# Allegro board hi3518edmeb_ver_a_pcb.brd
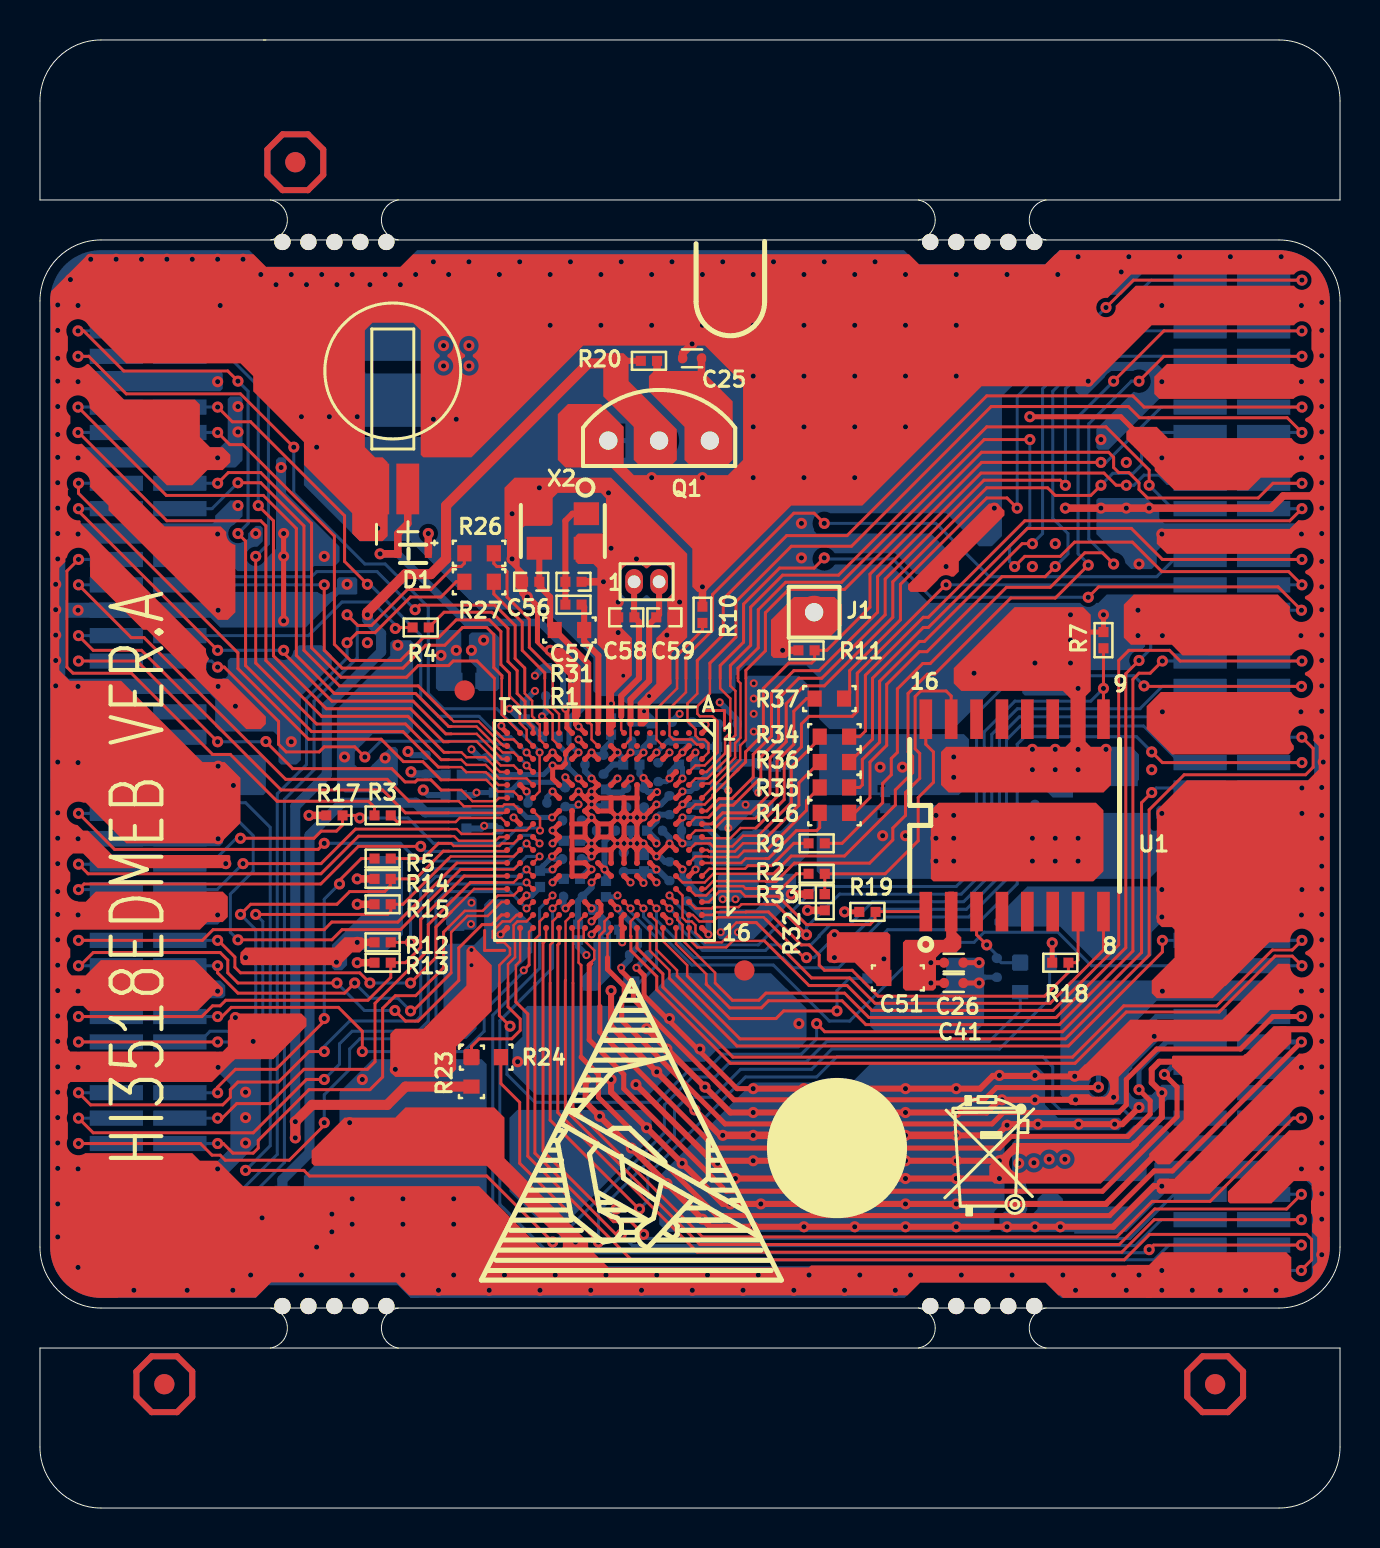
[diagram p0: board, top side]
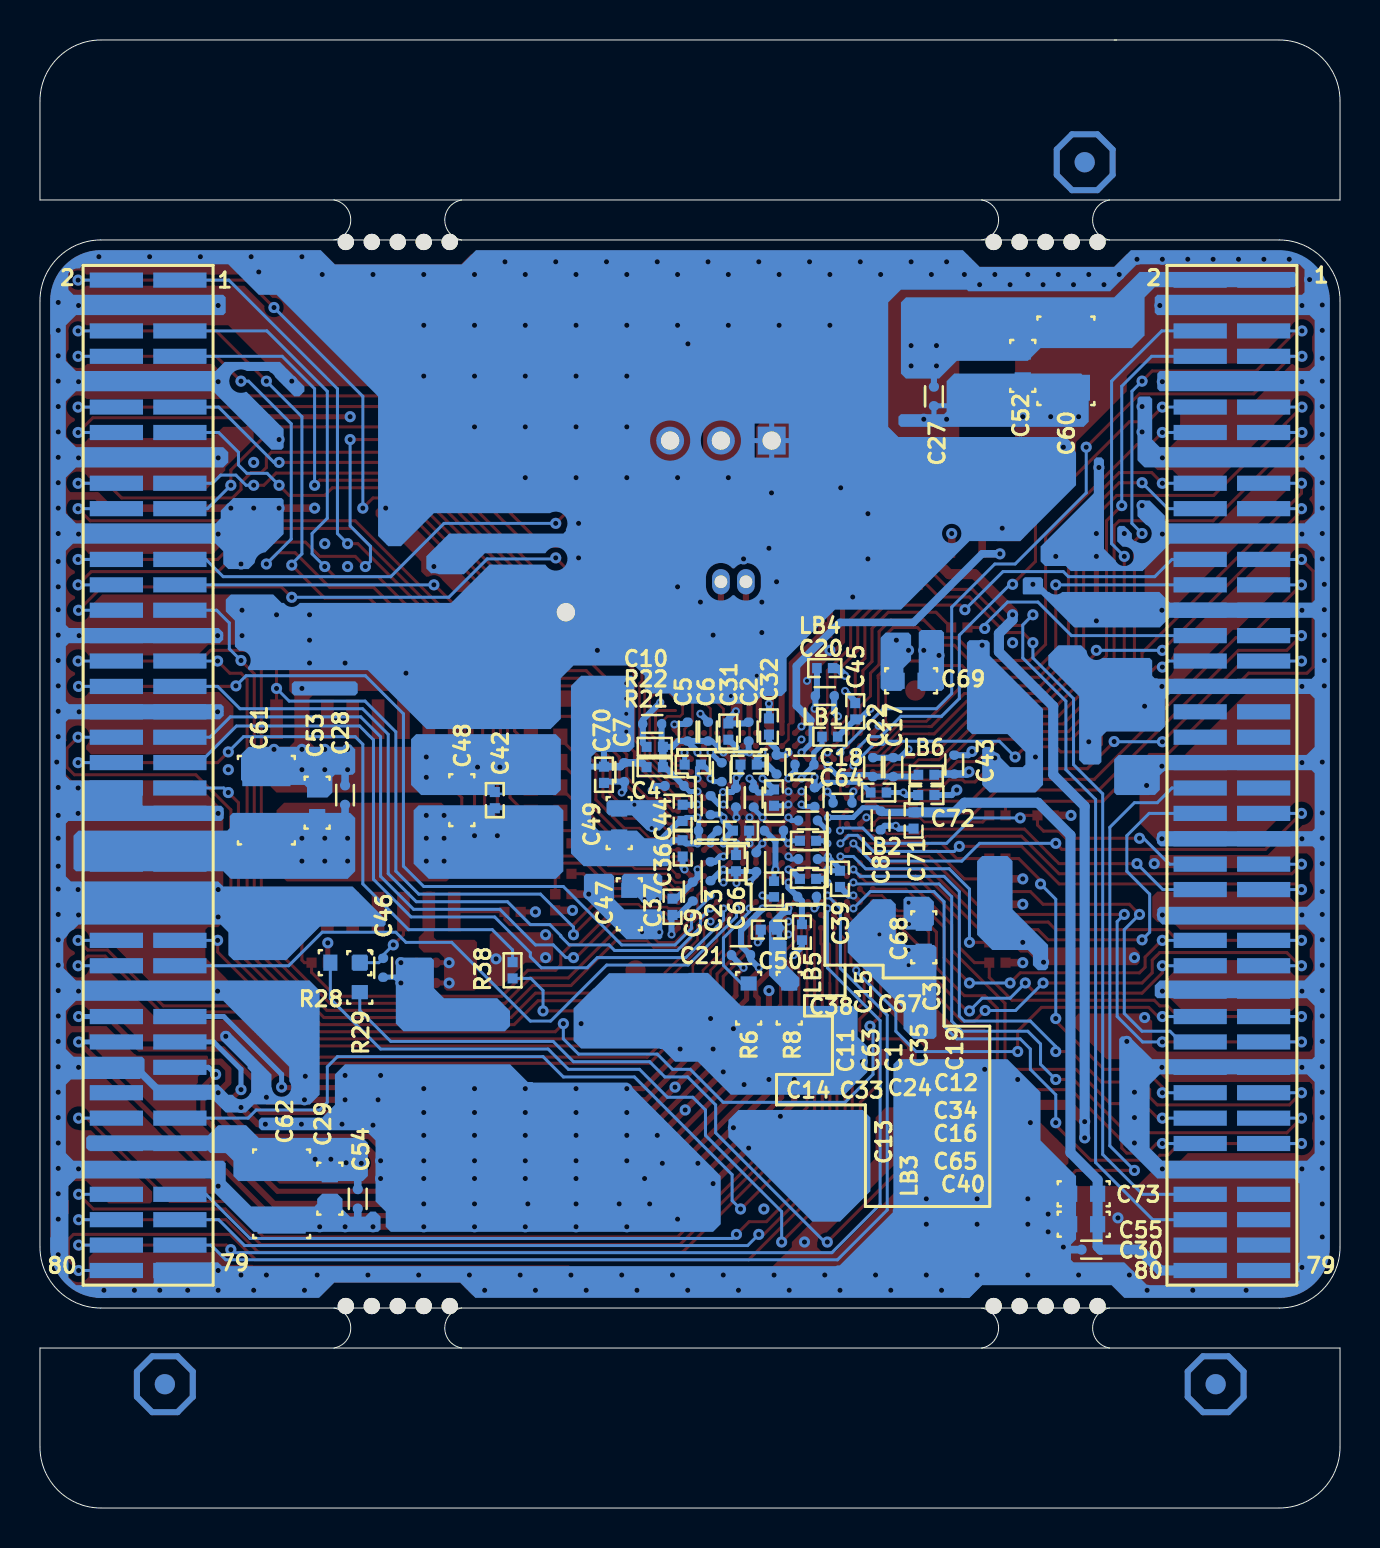
[diagram p1: board, bottom side, seen from below]

Outline 65.05 x 73.42 mm; copper layers: TOP, GND02, POWER3, BOTTOM. Coordinates in mm from the lower left corner of the outline.
Outline path: 11.3,73.42 3.05,73.42 arc(0.89,72.53) 0,70.37 0,65.42 65.05,65.42 65.05,70.37 arc(64.16,72.53) 62,73.42 11.18,73.42 ; 0,60.37 arc(0.89,62.52) 3.05,63.42 62,63.42 arc(64.16,62.52) 65.05,60.37 65.05,13.05 arc(64.16,10.89) 62,10 3.05,10 arc(0.89,10.89) 0,13.05 0,60.37 ; 0,8 65.05,8 65.05,3.05 arc(64.16,0.89) 62,0 3.05,0 arc(0.89,0.89) 0,3.05 0,8

## Design rules (mm)
net group CLK: nets EPHY_CLK/VOU1120_DATA2 MII_RXCK/VOU1120_CLK SDIO_CCLK_OUT SENSOR_CLK SFC_CLK/SFC_ADDR_MODE SPI0_SCLK SPI1_SCLK USB_DM USB_DP VIU_CLK
net group DIFF: nets PER_RSTN SFC_HOLD_IO3 SYS_RSTN_OUT
net group POWER: nets 1V2 3V3 AC_VREF AVDD12_PLL AVDD33_PLL AVDD_AC GND

## Placement (name value [footprint] x y rotation side)
C1  -  [SC0402-BGA]  29.34 35.53 270 bottom
C2  -  [SC0402-BGA]  29.59 38.83 90 bottom
C3  -  [SC0402-BGA]  28.19 37.18 270 bottom
C4  -  [SC0402-BGA]  33.3 36.11 0 bottom
C5  -  [SC0402-BGA]  32.64 38.83 90 bottom
C6  -  [SC0402-BGA]  31.62 38.83 90 bottom
C7  -  [SC0402-BGA]  35.81 36.8 270 bottom
C8  -  [SC0402-BGA]  22.99 34.38 270 bottom
C9  -  [SC0402-BGA]  32.38 30.83 270 bottom
C10  -  [SC0402-BGA]  34.42 39.21 0 bottom
C11  -  [SC0402-BGA]  31.5 35.15 90 bottom
C12  -  [SC0402-BGA]  26.62 34.38 0 bottom
C13  -  [SC0402-BGA]  29.21 32.3 90 bottom
C14  -  [SC0402-BGA]  31.62 33.88 180 bottom
C15  -  [SC0402-BGA]  30.94 36.8 90 bottom
C16  -  [SC0402-BGA]  26.62 32.45 0 bottom
C17  -  [SC0402-BGA]  22.35 37.05 90 bottom
C18  -  [SC0402-BGA]  26.8 37.18 0 bottom
C19  -  [SC0402-BGA]  26.29 35.55 270 bottom
C20  -  [SC0402-BGA]  25.78 40.61 180 bottom
C21  -  [SC0402-BGA]  29.97 27.65 180 bottom
C22  -  [SC0402-BGA]  23.37 37.05 90 bottom
C23  -  [SC0402-BGA]  31.5 31.84 270 bottom
C24  -  [SC0402-BGA]  28.32 33.88 0 bottom
C25  -  [SC0402-BGA]  32.63 57.5 180 top
C26  -  [SC0402-BGA]  45.72 27.27 0 top
C27  -  [SC0402-BGA]  20.32 55.59 270 bottom
C28  -  [SC0402-BGA]  49.78 35.65 90 bottom
C29  -  [SC0402-BGA]  49.15 15.46 270 bottom
C30  -  [SC0402-BGA]  12.45 12.92 0 bottom
C31  -  [HSC0402]  30.61 38.83 90 bottom
C32  -  [HSC0402]  28.57 39.08 90 bottom
C33  -  [HSC0402]  29.97 33.88 180 bottom
C34  -  [HSC0402]  26.62 33.37 0 bottom
C35  -  [HSC0402]  28.32 35.53 270 bottom
C36  -  [HSC0402]  32.89 32.99 270 bottom
C37  -  [HSC0402]  33.4 30.07 270 bottom
C38  -  [HSC0402]  32.38 37.18 0 bottom
C39  -  [HSC0402]  25.02 31.46 270 bottom
C40  -  [SC0402-BGA]  26.67 30.57 180 bottom
C41  -  [SC0402-BGA]  45.72 26.26 0 top
C42  -  [SC0402]  42.29 35.4 90 bottom
C43  -  [SC0402-BGA]  19.3 37.18 90 bottom
C44  -  [SC0402]  32.89 34.77 90 bottom
C45  -  [SC0402]  24.26 39.85 90 bottom
C46  -  [SC0402-BGA]  47.88 27.02 270 bottom
C47  -  [SC0603]  35.56 30.19 270 bottom
C48  -  [SC0603]  43.94 35.4 90 bottom
C49  -  [SC0603]  36.07 34.26 90 bottom
C50  -  [HSC0402]  28.57 28.92 0 bottom
C51  -  [SC0603]  42.93 26.51 180 top
C52  -  [SC0603]  15.88 57.12 270 bottom
C53  -  [SC0603]  51.18 35.27 90 bottom
C54  -  [SC0603]  50.55 15.97 270 bottom
C55  -  [SC0603]  12.83 14.19 0 bottom
C56  -  [SC0402]  24.58 46.32 180 top
C57  -  [SC0402]  26.7 46.32 0 top
C58  -  [SC0402]  29.34 44.54 180 top
C59  -  [SC0402]  31.24 44.54 0 top
C60  -  [SC1210]  13.72 57.37 270 bottom
C61  -  [SC1210]  53.72 35.4 90 bottom
C62  -  [SC1210]  52.96 15.72 270 bottom
C63  -  [SC0402-BGA]  30.23 35.53 270 bottom
C64  -  [SC0402-BGA]  24.89 35.27 180 bottom
C65  -  [HSC0402]  26.62 31.46 0 bottom
C66  -  [HSC0402]  30.23 32.25 90 bottom
C67  -  [HSC0402]  29.59 37.18 180 bottom
C68  -  [SC0603]  20.83 28.54 270 bottom
C69  -  [SC0603]  21.46 41.37 180 bottom
C70  -  [SC0402]  36.83 36.67 270 bottom
C71  -  [HSC0402]  21.34 34.38 270 bottom
C72  -  [SC0402]  20.7 35.65 180 bottom
C73  -  [SC0603]  12.83 15.72 0 bottom
D1  -  [HSOD523]  18.67 47.72 180 top
J1  -  [SIP-1P]  38.73 44.8 90 top
J2  -  [SFMC80-50]  5.41 36.64 90 bottom
J3  -  [SFMC80-50]  59.64 36.64 90 bottom
LB1  -  [SL0402]  25.53 38.58 180 bottom
LB2  -  [SL0402]  23.09 35.78 180 bottom
LB3  -  [SL0402]  28.32 30.96 270 bottom
LB4  -  [SL0402]  25.78 42 0 bottom
LB5  -  [SL0402]  26.92 28.8 270 bottom
LB6  -  [SL0402]  20.7 36.67 0 bottom
NOREF  -  []  3.05 0 0 top
NOREF#2  -  [unnamed#2]  58.8 6.19 0 top
NOREF#3  -  []  50.04 17.74 0 top
NOREF#4  -  []  0 8 0 top
NOREF#5  -  [unnamed#3]  14.73 64.42 180 top
NOREF#6  -  []  40.38 18.23 0 top
NOREF#7  -  []  -39.24 107.64 0 top
NOREF#8  -  []  65.05 13.05 0 top
NOREF#9  -  [unnamed#2]  12.78 67.3 0 top
NOREF#10  -  []  3.05 63.42 0 top
NOREF#11  -  []  0 10 0 top
NOREF#12  -  []  16.3 149.01 0 top
NOREF#13  -  []  0 65.42 0 top
NOREF#14  -  []  30.11 15.84 0 top
NOREF#15  -  []  0 10 0 top
NOREF#16  -  [unnamed#3]  47.15 9 0 top
NOREF#17  -  []  120.02 140.81 0 top
NOREF#18  -  []  64.39 11.16 0 top
NOREF#19  -  [unnamed#3]  47.15 64.42 180 top
NOREF#20  -  [unnamed#2]  6.22 6.19 0 top
NOREF#21  -  [unnamed#3]  14.73 9 0 top
NOREF#22  -  []  3.05 73.42 0 top
NOREF#23  -  []  -119.12 -105.14 0 top
NOREF#24  -  [unnamed#2]  12.78 67.3 180 bottom
NOREF#25  -  [unnamed#2]  6.22 6.19 180 bottom
NOREF#26  -  [unnamed#2]  58.8 6.19 180 bottom
Q1  -  [TO-TR]  30.98 53.38 0 top
R1  -  [SR0603]  26.49 43.91 180 top
R2  -  [SR0402]  38.86 31.72 0 top
R3  -  [SR0402]  17.14 34.64 0 top
R4  -  [SR0402]  19.05 44.04 0 top
R5  -  [SR0402]  17.14 32.48 0 top
R6  -  [SR0603]  29.59 25.49 270 bottom
R7  -  [SR0402]  53.21 43.4 90 top
R8  -  [SR0603]  27.56 25.49 270 bottom
R9  -  [SR0402]  38.86 33.24 0 top
R10  -  [SR0402]  33.15 44.67 270 top
R11  -  [SR0402]  38.35 42.89 180 top
R12  -  [SR0402]  17.14 28.29 180 top
R13  -  [SR0402]  17.14 27.27 180 top
R14  -  [SR0402]  17.14 31.46 0 top
R15  -  [SR0402]  17.14 30.19 0 top
R16  -  [SR0603]  39.75 34.77 180 top
R17  -  [SR0402]  14.73 34.64 0 top
R18  -  [SR0402]  51.05 27.27 0 top
R19  -  [SR0402]  41.4 29.81 0 top
R20  -  [SR0402]  30.47 57.37 180 top
R21  -  [SR0402]  34.29 37.05 0 bottom
R22  -  [SR0402]  34.29 38.07 180 bottom
R23  -  [SR0603]  21.59 21.81 90 top
R24  -  [SR0603]  22.33 22.55 180 top
R26  -  [SR0603]  21.97 47.75 0 top
R27  -  [SR0603]  21.97 46.32 0 top
R28  -  [SR0603]  49.78 27.27 0 bottom
R29  -  [SR0603]  49.05 26.54 270 bottom
R31  -  [SR0402]  26.7 45.18 180 top
R32  -  [SR0402]  39.27 30.3 90 top
R33  -  [SR0402]  38.86 30.7 180 top
R34  -  [SR0603]  39.75 38.58 180 top
R35  -  [SR0603]  39.75 36.04 180 top
R36  -  [SR0603]  39.75 37.31 180 top
R37  -  [SR0603]  39.5 40.48 180 top
R38  -  [SR0402]  41.4 26.89 90 bottom
U1  -  [SOP16-50-300A]  48.77 34.64 0 top
U2  -  [BATTERY-R]  17.65 56.86 270 top
U3  VALUE  [BGA220-26-1616]  28.25 33.88 180 top
X1  -  [SIP2-1_25]  30.35 46.32 0 top
X2  -  [SX4-0302]  26.16 48.86 180 top

## Library data of the parts
C1-C30 C40 C41 C43 C46 C63 C64 = SC0402-BGA
C31-C39 C50 C65-C67 C71 = HSC0402
C42 C44 C45 C56-C59 C70 C72 = SC0402
C47-C49 C51-C55 C68 C69 C73 = SC0603
C60-C62 = SC1210
D1 = HSOD523
J1 = SIP-1P
J2 J3 = SFMC80-50
LB1-LB6 = SL0402
Q1 = TO-TR
R1 R6 R8 R16 R23 R24 R26-R29 R34-R37 = SR0603
R2-R5 R7 R9-R15 R17-R22 R31-R33 R38 = SR0402
U1 = SOP16-50-300A
U2 = BATTERY-R
U3 = BGA220-26-1616
X1 = SIP2-1_25
X2 = SX4-0302

## Footprints (pads in the part's own frame, mm; a bottom-side part is the same pattern mirrored in y, then rotated)
BATTERY-R
  rect 2.54x1.143 smd: 1(5.9,0.75) 2(5.9,-0.75)
BGA220-26-1616
  round 1.016 smd: (-7,7) (7,-7)
  round 0.305 smd: A1(-4.875,-4.875) A2(-4.875,-4.225) A3(-4.875,-3.575) A4(-4.875,-2.925) A5(-4.875,-2.275) A6(-4.875,-1.625) A7(-4.875,-0.975) A8(-4.875,-0.325) A9(-4.875,0.325) A10(-4.875,0.975) A11(-4.875,1.625) A12(-4.875,2.275) A13(-4.875,2.925) A14(-4.875,3.575) A15(-4.875,4.225) A16(-4.875,4.875) B1(-4.225,-4.875) B2(-4.225,-4.225) B3(-4.225,-3.575) B4(-4.225,-2.925) B5(-4.225,-2.275) B6(-4.225,-1.625) B7(-4.225,-0.975) B8(-4.225,-0.325) B9(-4.225,0.325) B10(-4.225,0.975) B11(-4.225,1.625) B12(-4.225,2.275) B13(-4.225,2.925) B14(-4.225,3.575) B15(-4.225,4.225) B16(-4.225,4.875) C1(-3.575,-4.875) C2(-3.575,-4.225) C3(-3.575,-3.575) C4(-3.575,-2.925) C5(-3.575,-2.275) C6(-3.575,-1.625) C7(-3.575,-0.975) C8(-3.575,-0.325) C9(-3.575,0.325) C10(-3.575,0.975) C11(-3.575,1.625) C12(-3.575,2.275) C13(-3.575,2.925) C14(-3.575,3.575) C15(-3.575,4.225) C16(-3.575,4.875) D1(-2.925,-4.875) D2(-2.925,-4.225) D3(-2.925,-3.575) D14(-2.925,3.575) D15(-2.925,4.225) D16(-2.925,4.875) E1(-2.275,-4.875) E2(-2.275,-4.225) E3(-2.275,-3.575) E5(-2.275,-2.275) E6(-2.275,-1.625) E7(-2.275,-0.975) E8(-2.275,-0.325) E9(-2.275,0.325) E10(-2.275,0.975) E11(-2.275,1.625) E12(-2.275,2.275) E14(-2.275,3.575) E15(-2.275,4.225) E16(-2.275,4.875) F1(-1.625,-4.875) F2(-1.625,-4.225) F3(-1.625,-3.575) F5(-1.625,-2.275) F6(-1.625,-1.625) F7(-1.625,-0.975) F8(-1.625,-0.325) F9(-1.625,0.325) F10(-1.625,0.975) F11(-1.625,1.625) F12(-1.625,2.275) F14(-1.625,3.575) F15(-1.625,4.225) F16(-1.625,4.875) G1(-0.975,-4.875) G2(-0.975,-4.225) G3(-0.975,-3.575) G5(-0.975,-2.275) G6(-0.975,-1.625) G7(-0.975,-0.975) G8(-0.975,-0.325) G9(-0.975,0.325) G10(-0.975,0.975) G11(-0.975,1.625) G12(-0.975,2.275) G14(-0.975,3.575) G15(-0.975,4.225) G16(-0.975,4.875) H1(-0.325,-4.875) H2(-0.325,-4.225) H3(-0.325,-3.575) H5(-0.325,-2.275) H6(-0.325,-1.625) H7(-0.325,-0.975) H8(-0.325,-0.325) H9(-0.325,0.325) H10(-0.325,0.975) H11(-0.325,1.625) H12(-0.325,2.275) H14(-0.325,3.575) H15(-0.325,4.225) H16(-0.325,4.875) J1(0.325,-4.875) J2(0.325,-4.225) J3(0.325,-3.575) J5(0.325,-2.275) J6(0.325,-1.625) J7(0.325,-0.975) J8(0.325,-0.325) J9(0.325,0.325) J10(0.325,0.975) J11(0.325,1.625) J12(0.325,2.275) J14(0.325,3.575) J15(0.325,4.225) J16(0.325,4.875) K1(0.975,-4.875) K2(0.975,-4.225) K3(0.975,-3.575) K5(0.975,-2.275) K6(0.975,-1.625) K7(0.975,-0.975) K8(0.975,-0.325) K9(0.975,0.325) K10(0.975,0.975) K11(0.975,1.625) K12(0.975,2.275) K14(0.975,3.575) K15(0.975,4.225) K16(0.975,4.875) L1(1.625,-4.875) L2(1.625,-4.225) L3(1.625,-3.575) L5(1.625,-2.275) L6(1.625,-1.625) L7(1.625,-0.975) L8(1.625,-0.325) L9(1.625,0.325) L10(1.625,0.975) L11(1.625,1.625) L12(1.625,2.275) L14(1.625,3.575) L15(1.625,4.225) L16(1.625,4.875) M1(2.275,-4.875) M2(2.275,-4.225) M3(2.275,-3.575) M5(2.275,-2.275) M6(2.275,-1.625) M7(2.275,-0.975) M8(2.275,-0.325) M9(2.275,0.325) M10(2.275,0.975) M11(2.275,1.625) M12(2.275,2.275) M14(2.275,3.575) M15(2.275,4.225) M16(2.275,4.875) N1(2.925,-4.875) N2(2.925,-4.225) N3(2.925,-3.575) N14(2.925,3.575) N15(2.925,4.225) N16(2.925,4.875) P1(3.575,-4.875) P2(3.575,-4.225) P3(3.575,-3.575) P4(3.575,-2.925) P5(3.575,-2.275) P6(3.575,-1.625) P7(3.575,-0.975) P8(3.575,-0.325) P9(3.575,0.325) P10(3.575,0.975) P11(3.575,1.625) P12(3.575,2.275) P13(3.575,2.925) P14(3.575,3.575) P15(3.575,4.225) P16(3.575,4.875) R1(4.225,-4.875) R2(4.225,-4.225) R3(4.225,-3.575) R4(4.225,-2.925) R5(4.225,-2.275) R6(4.225,-1.625) R7(4.225,-0.975) R8(4.225,-0.325) R9(4.225,0.325) R10(4.225,0.975) R11(4.225,1.625) R12(4.225,2.275) R13(4.225,2.925) R14(4.225,3.575) R15(4.225,4.225) R16(4.225,4.875) T1(4.875,-4.875) T2(4.875,-4.225) T3(4.875,-3.575) T4(4.875,-2.925) T5(4.875,-2.275) T6(4.875,-1.625) T7(4.875,-0.975) T8(4.875,-0.325) T9(4.875,0.325) T10(4.875,0.975) T11(4.875,1.625) T12(4.875,2.275) T13(4.875,2.925) T14(4.875,3.575) T15(4.875,4.225) T16(4.875,4.875)
HSC0402
  rect 0.508x0.508 smd: 1(-0.406,0) 2(0.406,0)
HSOD523
  rect 0.356x0.406 smd: 1(0.762,0) 2(-0.762,0)
SC0402
  rect 0.508x0.508 smd: 1(-0.406,0) 2(0.406,0)
SC0402-BGA
  custom 0.475x0.51 smd: 1(-0.47,0) 2(0.47,0)
SC0603
  rect 0.762x0.813 smd: 1(-0.699,0) 2(0.699,0)
SC1210
  rect 1.295x2.413 smd: 1(-1.346,0) 2(1.346,0)
SFMC80-50
  rect 0.762x2.667 smd: 1(24.765,-1.589) 2(24.765,1.589) 3(23.495,-1.589) 4(23.495,1.589) 5(22.225,-1.589) 6(22.225,1.589) 7(20.955,-1.589) 8(20.955,1.589) 9(19.685,-1.589) 10(19.685,1.589) 11(18.415,-1.589) 12(18.415,1.589) 13(17.145,-1.589) 14(17.145,1.589) 15(15.875,-1.589) 16(15.875,1.589) 17(14.605,-1.589) 18(14.605,1.589) 19(13.335,-1.589) 20(13.335,1.589) 21(12.065,-1.589) 22(12.065,1.589) 23(10.795,-1.589) 24(10.795,1.589) 25(9.525,-1.589) 26(9.525,1.589) 27(8.255,-1.589) 28(8.255,1.589) 29(6.985,-1.589) 30(6.985,1.589) 31(5.715,-1.589) 32(5.715,1.589) 33(4.445,-1.589) 34(4.445,1.589) 35(3.175,-1.589) 36(3.175,1.589) 37(1.905,-1.589) 38(1.905,1.589) 39(0.635,-1.589) 40(0.635,1.589) 41(-0.635,-1.589) 42(-0.635,1.589) 43(-1.905,-1.589) 44(-1.905,1.589) 45(-3.175,-1.589) 46(-3.175,1.589) 47(-4.445,-1.589) 48(-4.445,1.589) 49(-5.715,-1.589) 50(-5.715,1.589) 51(-6.985,-1.589) 52(-6.985,1.589) 53(-8.255,-1.589) 54(-8.255,1.589) 55(-9.525,-1.589) 56(-9.525,1.589) 57(-10.795,-1.589) 58(-10.795,1.589) 59(-12.065,-1.589) 60(-12.065,1.589) 61(-13.335,-1.589) 62(-13.335,1.589) 63(-14.605,-1.589) 64(-14.605,1.589) 65(-15.875,-1.589) 66(-15.875,1.589) 67(-17.145,-1.589) 68(-17.145,1.589) 69(-18.415,-1.589) 70(-18.415,1.589) 71(-19.685,-1.589) 72(-19.685,1.589) 73(-20.955,-1.589) 74(-20.955,1.589) 75(-22.225,-1.589) 76(-22.225,1.589) 77(-23.495,-1.589) 78(-23.495,1.589) 79(-24.765,-1.589) 80(-24.765,1.589)
SIP2-1_25
  oval 0.889x1.27 hole 0.635: 1(-0.625,0) 2(0.625,0)
SIP-1P
  round 1.651 hole 0.914: 1(0,0)
SL0402
  rect 0.483x0.508 smd: 1(-0.394,0) 2(0.394,0)
SOP16-50-300A
  rect 0.635x1.981 smd: 1(-4.445,-4.813) 2(-3.175,-4.813) 3(-1.905,-4.813) 4(-0.635,-4.813) 5(0.635,-4.813) 6(1.905,-4.813) 7(3.175,-4.813) 8(4.445,-4.813) 9(4.445,4.813) 10(3.175,4.813) 11(1.905,4.813) 12(0.635,4.813) 13(-0.635,4.813) 14(-1.905,4.813) 15(-3.175,4.813) 16(-4.445,4.813)
SR0402
  rect 0.508x0.508 smd: 1(-0.406,0) 2(0.406,0)
SR0603
  rect 0.711x0.813 smd: 1(-0.737,0) 2(0.737,0)
SX4-0302
  rect 1.27x1.143 smd: 1(-1.176,-0.864) 2(1.176,-0.864) 3(1.176,0.864) 4(-1.176,0.864)
TO-TR
  rect 1.397x1.397 hole 0.914: 1(-2.54,0)
  round 1.397 hole 0.914: 2(0,0) 3(2.54,0)
unnamed#2
  round 1.016 smd: 1(0,0)
unnamed#3
  round 0.813 hole 0.813 unplated: (-2.6,1.1) (-1.3,1.1) (0,1.1) (1.3,1.1) (2.6,1.1)

## Nets
1V2: C1.1 C11.1 C12.1 C13.1 C23.2 C28.1 C33.1 C34.1 C35.1 C42.1 C45.1 C48.1 C53.1 C61.1 C63.1 C64.1 C65.1 C66.1 C67.1 J3.45 J3.46 J3.47 J3.48 LB1.2 U3.E5 U3.E6 U3.E8 U3.E9 U3.E11 U3.F12 U3.G5 U3.G12 U3.H5 U3.M6 U3.M8 U3.M9 U3.M12
1V8: C2.1 C7.1 C14.1 C15.1 C27.1 C31.1 C36.1 C38.1 C44.1 C49.1 C52.1 C60.1 C70.1 J2.1 J2.2 R21.2 U3.C4 U3.C5 U3.C8 U3.C9 U3.F3 U3.G3
3V3: C3.1 C9.1 C16.1 C25.1 C26.1 C29.1 C32.1 C37.1 C39.1 C41.1 C43.1 C47.1 C51.1 C54.1 C62.1 C68.1 C69.1 C72.1 D1.2 J3.69 J3.70 LB2.2 LB3.2 LB4.1 LB5.2 LB6.1 Q1.3 R13.2 R14.1 R15.1 R17.1 R18.1 R19.1 R20.1 R32.1 U1.2 U3.C11 U3.E12 U3.J3 U3.K3 U3.M10 U3.M11
AVDD3V3: C17.1 C22.1 LB6.2 U3.L2 U3.M5
AVDD12_PLL: C18.1 LB1.1 U3.K5
AVDD33_PLL: C19.1 LB2.1 U3.L5
AVDD_AC: C40.1 LB5.1 U3.J12
AVDD_USB: C24.2 LB3.1 U3.H12 U3.J11
GND: C1.2 C2.2 C3.2 C4.2 C5.2 C6.2 C7.2 C8.2 C9.2 C10.2 C11.2 C12.2 C13.2 C14.2 C15.2 C16.2 C17.2 C18.2 C19.2 C20.2 C21.1 C22.2 C23.1 C24.1 C25.2 C26.2 C27.2 C28.2 C29.2 C30.2 C31.2 C32.2 C33.2 C34.2 C35.2 C36.2 C37.2 C38.2 C39.2 C40.2 C41.2 C42.2 C43.2 C44.2 C45.2 C46.2 C47.2 C48.2 C49.2 C50.2 C51.2 C52.2 C53.2 C54.2 C55.2 C56.2 C57.2 C58.2 C59.2 C60.2 C61.2 C62.2 C63.2 C64.2 C65.2 C66.2 C67.2 C68.2 C69.2 C70.2 C71.2 C72.2 C73.2 J1.1 J2.3 J2.4 J2.9 J2.10 J2.15 J2.16 J2.21 J2.22 J2.27 J2.28 J2.33 J2.34 J2.39 J2.40 J2.45 J2.46 J2.51 J2.52 J2.57 J2.58 J2.63 J2.64 J2.71 J2.72 J3.3 J3.4 J3.9 J3.10 J3.15 J3.16 J3.21 J3.22 J3.29 J3.30 J3.35 J3.36 J3.42 J3.43 J3.44 J3.49 J3.50 J3.51 J3.52 J3.57 J3.58 J3.64 J3.65 J3.71 J3.72 J3.79 Q1.1 R6.2 R7.2 R8.2 R10.1 R11.2 R12.2 R22.1 R33.2 U1.10 U2.2 U3.A1 U3.A16 U3.B3 U3.B6 U3.B12 U3.C7 U3.C10 U3.D3 U3.D15 U3.E7 U3.E10 U3.F5 U3.F6 U3.F7 U3.F8 U3.F9 U3.F10 U3.F11 U3.G6 U3.G7 U3.G8 U3.G9 U3.G10 U3.G11 U3.G15 U3.G16 U3.H1 U3.H2 U3.H3 U3.H6 U3.H7 U3.H8 U3.H9 U3.H10 U3.H11 U3.J5 U3.J6 U3.J7 U3.J8 U3.J9 U3.J10 U3.J14 U3.J15 U3.J16 U3.K1 U3.K2 U3.K6 U3.K7 U3.K8 U3.K9 U3.K10 U3.K11 U3.K12 U3.L6 U3.L7 U3.L8 U3.L9 U3.L10 U3.L11 U3.L12 U3.L14 U3.M3 U3.N1 U3.N3 U3.R5 U3.R8 U3.R14 U3.T1 U3.T16 X2.2 X2.4
AC_LINER: J3.62 U3.K15
AC_MICBIAS: C21.2 J3.59 U3.H14
AC_MICIN_L: J3.63 U3.K16
AC_OUTL: J3.61 U3.H15
AC_OUTR: J3.60 U3.H16
AC_VREF: C50.1 R8.1 U3.K14
DDR_VERF: C4.1 C5.1 C6.1 C10.1 R21.1 R22.2 U3.B2 U3.C3 U3.C6 U3.E3
EPHY_CLK/VOU1120_DATA2: J3.8 R9.2
ETH_RSTN: J3.41 U3.R15
FLASH_TRIG/GPIO1_7: J2.49 U3.P9
I2C_SCL: J2.62 R14.2 U3.T10
I2C_SDA: J2.61 R15.2 U3.R10
IR_IN: J2.44 U3.R11
JTAG_EN: J2.60 U3.P16
JTAG_TCK: J2.70 U3.R13
JTAG_TDI: J2.69 U3.P14
JTAG_TDO: J2.67 U3.P13
JTAG_TMS: J2.54 U3.T13
JTAG_TRSTN: J2.56 U3.T14
MDCK/VOU1120_DATA6/BOOT_SEL: J3.11 R11.1 U3.B7
MDIO/VOU1120_DATA14: J3.14 U3.B4
MII_COL/VOU1120_DATA9: J3.17 U3.A7
MII_CRS/VOU1120_DATA10: J3.13 U3.A8
MII_RXCK/VOU1120_CLK: J3.12 U3.A3
MII_RXD0/VOU1120_DATA12: J3.18 U3.A6
MII_RXD1/VOU1120_DATA8: J3.26 U3.A5
MII_RXD2/VOU1120_DATA11: J3.19 U3.B5
MII_RXD3/VOU1120_DATA15: J3.28 U3.A4
MII_RXDV/VOU1120_DATA1: J3.6 U3.C12
MII_RXER: J3.23 U3.A2
MII_TXCK/VOU1120_DATA7: J3.20 R34.1
MII_TXD0/VOU1120_DATA4: J3.5 R16.1
MII_TXD1/VOU1120_DATA0: J3.1 R35.1
MII_TXD2/VOU1120_DATA13: J3.24 R36.1
MII_TXD3/VOU1120_DATA3: J3.2 R37.1
MII_TXEN/VOU1120_DATA5: J3.7 U3.B8
MII_TXER: J3.25 U3.A9
PER_RSTN: J2.42 R29.2
POR_SEL: J2.53 U3.T11
PWM_OUT0: J2.68 U3.R12
PWM_OUT1: J2.65 U3.P12
SAR_ADC_CH0: R26.2 U3.M1
SAR_ADC_CH0_REFB: J2.76 R26.1
SAR_ADC_CH1: R27.2 U3.M2
SAR_ADC_CH1_REFB: J2.74 R27.1
SAR_ADC_VREF: C20.1 LB4.2 U3.L1
SDIO_CARD_DETECT: J3.39 U3.E14
SDIO_CARD_POWER_EN: J3.38 U3.E15
SDIO_CCLK_OUT: J3.40 R38.2
SDIO_CCMD: J3.34 U3.C14
SDIO_CDATA0: J3.31 U3.C16
SDIO_CDATA1: J3.27 U3.C15
SDIO_CDATA2: J3.37 U3.B15
SDIO_CDATA3: J3.32 U3.B16
SDIO_CWPR: J3.33 U3.D14
SENSOR_CLK: J2.23 R3.1
SFC_CLK/SFC_ADDR_MODE: R2.2 R32.2 R33.1 U1.16
SFC_CSN: R18.2 U1.7 U3.A15
SFC_DI_IO1: U1.8 U3.C13
SFC_DO_IO0: U1.15 U3.A13
SFC_HOLD_IO3: R19.2 U1.1 U3.A14
SFC_WP_IO2: R7.1 U1.9 U3.B14
SHUTTER_TRIG/GPIO1_0: J2.43 U3.P10
SPI0_CSN: J2.24 U3.N2
SPI0_MISO: J2.14 U3.P2
SPI0_MOSI: J2.26 U3.R1
SPI0_SCLK: J2.30 R4.1
SPI1_CSN: J2.48 R17.2 U3.P7
SPI1_MISO: J2.50 U3.P8
SPI1_MOSI: J2.47 U3.T9
SPI1_SCLK: J2.66 R5.1
SVB_PWM: J3.80 U3.R16
SYS_RSTN: J2.55 U3.T15
SYS_RSTN_OUT: R24.1 R28.2
SYS_RSTN_OUT/TEMPER_DQ: R23.2 R24.2 U3.P15
TEMPER_DQ: Q1.2 R20.2 R23.1
UART0_RXD: J3.68 U3.L16
UART0_TXD: J3.74 U3.L15
UART1_CTSN/GPIO2_4: J3.78 U3.M14
UART1_RTSN/GPIO2_2: J3.77 U3.N14
UART1_RXD: J3.73 U3.N16
UART1_TXD: J3.75 U3.N15
UART2_RXD: J3.67 U3.M15
UART2_TXD: J3.76 U3.M16
USB_DM: J3.54 U3.F16
USB_DP: J3.56 U3.F15
USB_OVRCUR: J3.55 U3.F14
USB_PWREN: J3.53 U3.E16
VI_POWER: C8.1 C30.1 C55.1 C71.1 C73.1 J2.80 U3.M7
VIU_CLK: J2.25 U3.R7
VIU_DAT0: J2.12 U3.P3
VIU_DAT1: J2.11 U3.R3
VIU_DAT2: J2.19 U3.T3
VIU_DAT3: J2.32 U3.P4
VIU_DAT4: J2.8 U3.R4
VIU_DAT5: J2.13 U3.T4
VIU_DAT6: J2.6 U3.P5
VIU_DAT7: J2.5 U3.T5
VIU_DAT8: J2.31 U3.T6
VIU_DAT9: J2.7 U3.P6
VIU_DAT10: J2.17 U3.R6
VIU_DAT11: J2.29 U3.T7
VIU_HS: J2.18 U3.R2
VIU_VS: J2.20 U3.T2
WDG_RSTN: J2.59 R13.1 U3.T12
$4N364: R10.2 U3.D2
$5N585: R2.1 U3.B13
$5N586: C59.1 U3.G2 X1.2
$5N587: C58.1 U3.G1 X1.1
$5N591: R9.1 U3.A12
$5N597: R1.1 R31.1 U3.J1
$5N598: C56.1 R1.2 U3.J2 X2.3
$5N623: C57.1 R31.2 X2.1
$5N673: D1.1 U2.1 U3.L3
$5N771: R12.1 U3.P11
$5N848: R16.2 U3.A11
$5N850: R35.2 U3.B11
$5N852: R36.2 U3.A10
$5N854: R37.2 U3.B9
$5N862: R34.2 U3.B10
$6N585: R3.2 U3.T8
$6N598: R6.1 U3.G14
$6N719: R4.2 U3.P1
$6N735: R5.2 U3.R9
$6N854: R38.1 U3.D16
$7N213: C46.1 R28.1 R29.1 U1.3

Pads without a net: J2 35 36 37 38 41 73 75 77 78 79; J3 66; NOREF#2 1; NOREF#9 1; NOREF#20 1; NOREF#24 1; NOREF#25 1; NOREF#26 1; U1 4 5 6 11 12 13 14; U3 B1 C1 C2 D1 E1 E2 F1 F2

## Via types
v1: diameter 0.559, hole 0.254, TOP to BOTTOM, 591 vias
v2: diameter 0.406, hole 0.203, TOP to BOTTOM, 127 vias
